# KiCad board robot-hub_rev4.kicad_pcb (continued)
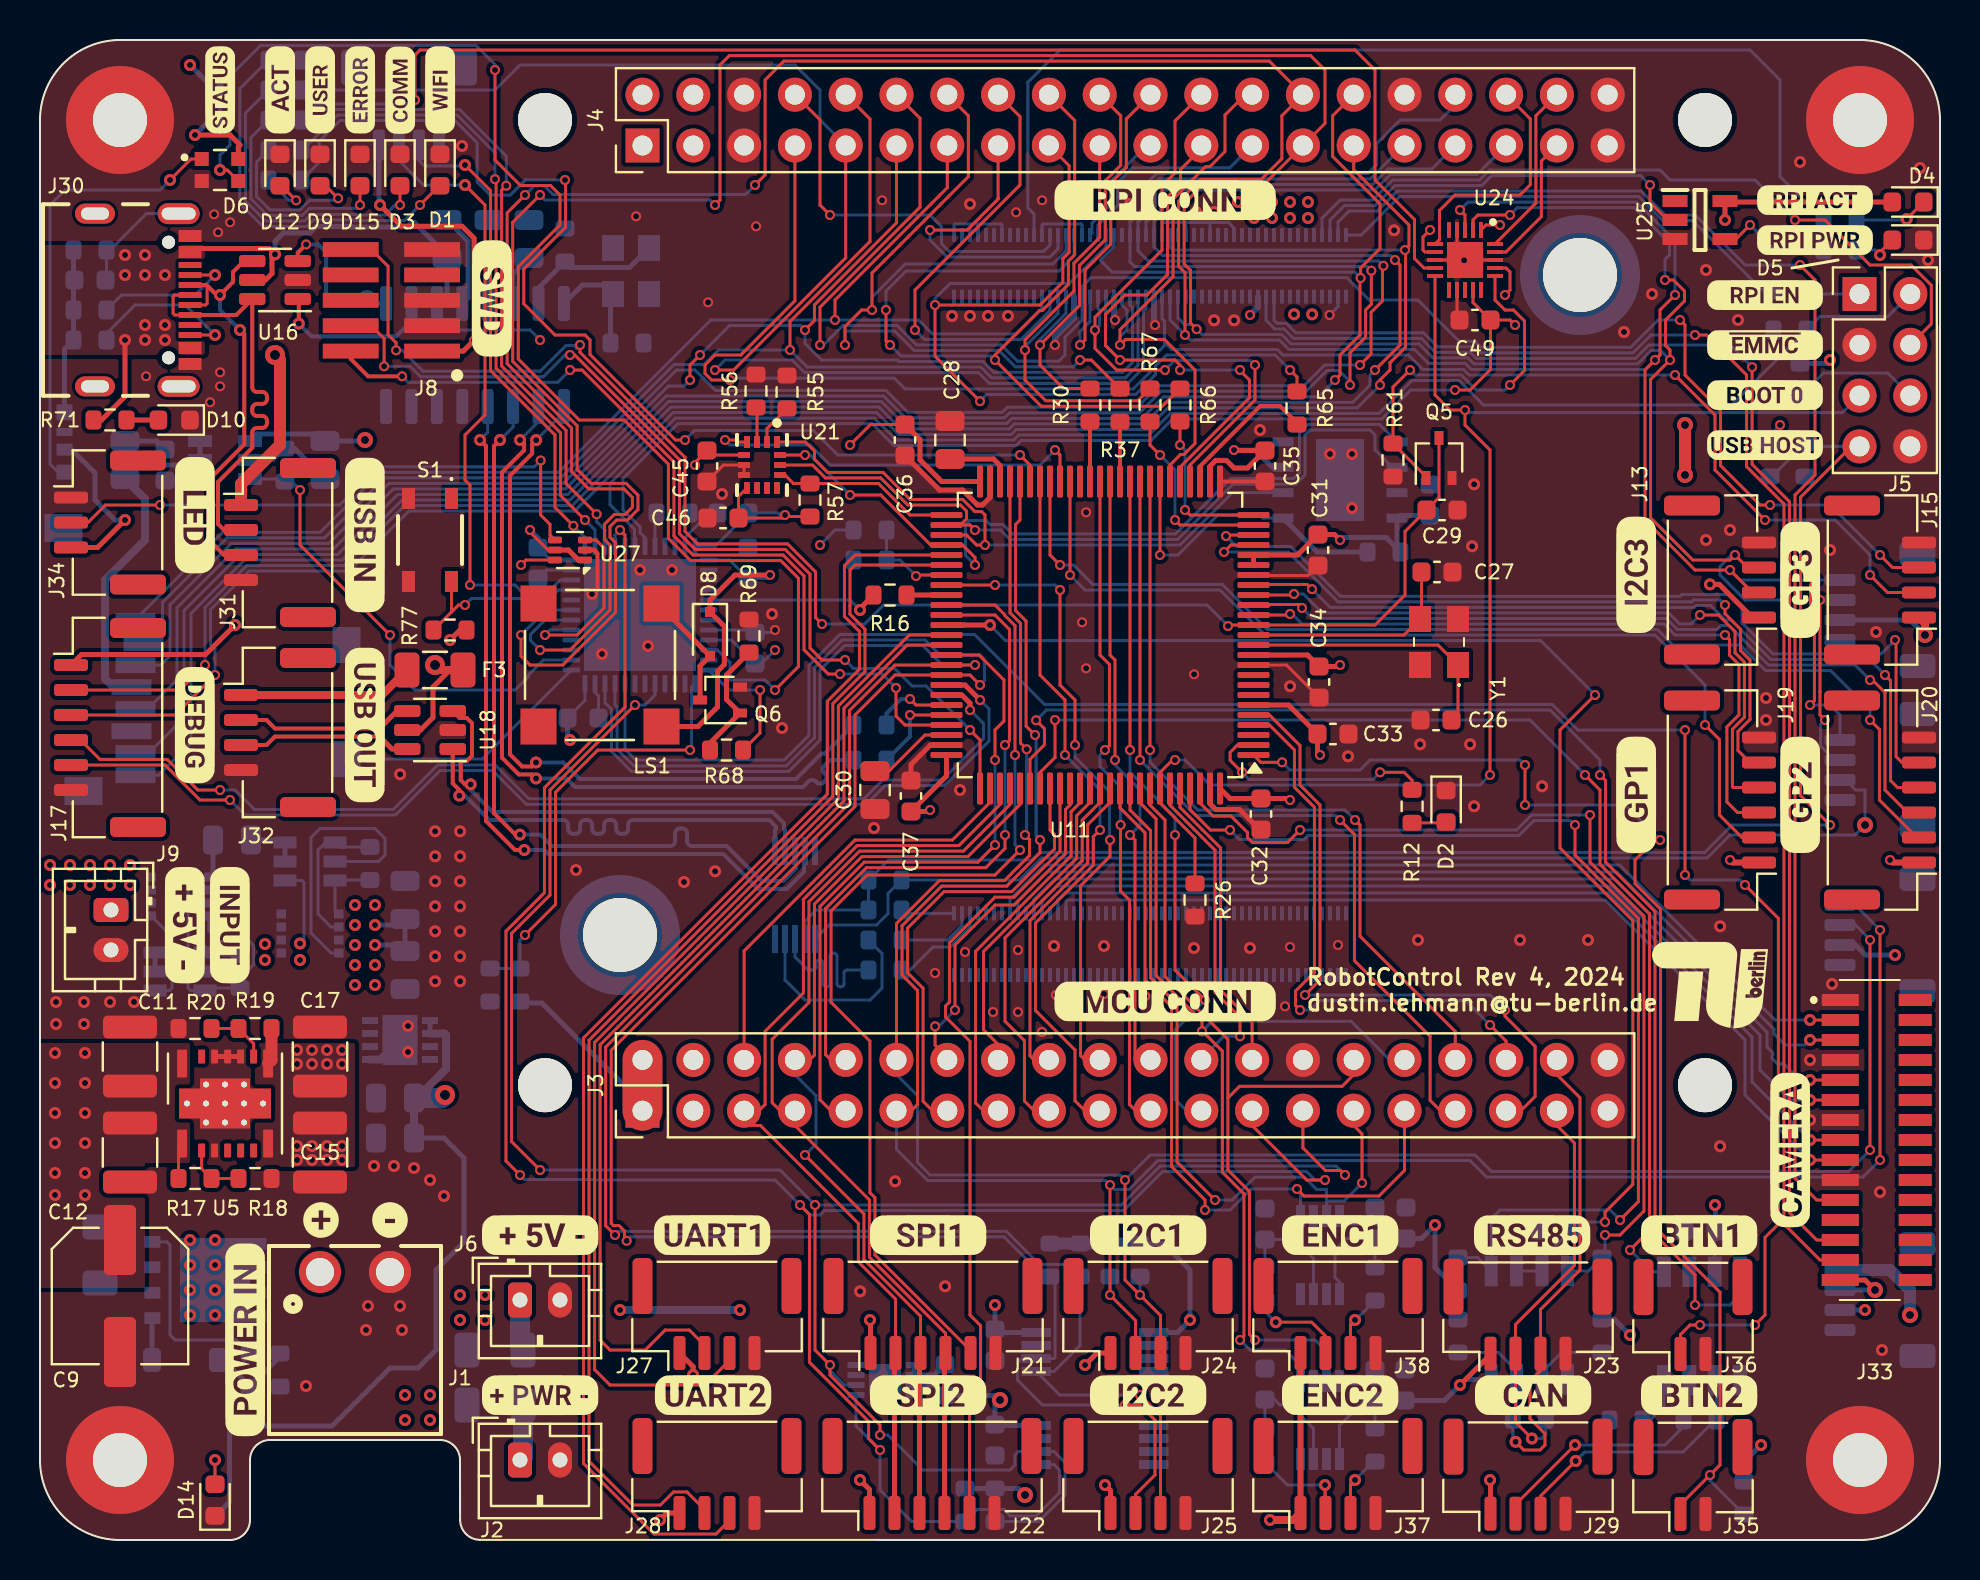
[diagram p0: board, top side]
## Routing (per net, layer and track width the routed paths; a pad name or vN(x,y) marks a point on that pad's centre or on a via; arc(x,y) is an arc through that point) (continued)
5V_EXT: length 10.7
  Bottom w0.15: 10,27.6 8.38,27.6 ; Q2.1 8.08,33.15 7.4,32.47 7.4,27.6 7.52,27.48 U2.6
  Bottom w0.25: Q2.1 8.65,33.36 C1.1
5V_IN: length 4.9
  Bottom w0.15: U2.1 6.47,27.48 6.6,27.6 6.6,30.16 Q2.5
5V_REG: length 5.9
  Top w0.6: R19.1 11.57,24 U5.8
  Bottom w0.15: v1(13,29.83) 13.2,30.03 13.2,32.88 13.1,32.98 U3.1
  vias: v1(11.25,29.8) v1(11.25,29) v1(12.85,24.5) v1(12.85,23.8) v1(12.85,19.7) v1(12.85,19) v1(13,29) v1(13.6,24.5) v1(13.6,23.8) v1(13.6,19.7) v1(13.6,19) v1(14.35,24.5) v1(14.35,23.8) v1(14.35,19.7) v1(14.35,19) v1(15.1,24.5) v1(15.1,23.8) v1(15.1,19.7) v1(15.1,19)
5V_USB: length 173.5
  Top w0.25: 7.68,64.58 11.46,64.58 v1(11.75,64.28) 11.6,64.13 11.6,63.33 11.27,63 U16.5 ; R71.1 3.07,56 4.25,57.17 v1(4.25,60)
  Top w0.6: J31.1 10.05,52.8 12,54.75 12,59 v3(11.75,59.25)
  POWER w0.25: v2(87,55.75) 87,66.01 85.25,67.76 85.25,73.75 84.5,74.5 25,74.5 20.1,69.61 20.1,66.98 18.8,65.69 13,65.69 11.75,64.43 v1(11.75,64.28)
  POWER w0.4: v2(39,49.75) 41.25,49.75 42.75,51.25 42.75,54.75 41.75,55.75 28.4,55.75 25,59.15 v2(25,60)
  POWER w0.6: 7.25,60 8,59.25 v3(11.75,59.25)
  Bottom w0.15: R24.1 39.75,50.5 v2(39,49.75) ; R8.1 86.5,55.25 v2(87,55.75) ; v2(25,60) 24.5,60.5 20.3,60.5 19.84,60.95 U15.11
  Bottom w0.25: 19.99,64.1 19.99,64.6 18.7,65.89 18.6,65.89 18.36,65.64 15.58,65.64 15.54,65.68 13.81,65.68 13.48,65.35 12.17,65.35 11.75,64.93 v1(11.75,64.28) ; 20.35,64.1 20.35,62.33 U15.11
  vias: v1(0.5,33.75) v1(0.5,32.75) v1(1.5,33.75) v1(1.5,32.75) v1(2.5,33.75) v1(2.5,32.75) v1(3.5,33.75) v1(3.5,32.75) v1(4.25,64.25) v1(4.25,63.25) v1(4.5,33.75) v1(4.5,32.75) v1(5.25,64.25) v1(5.25,63.25) v1(5.25,60.75) v1(5.25,60) v1(6.25,63.25) v1(6.25,60.75) v1(6.25,60)
+3V3: length 613
  Top w0.15: C45.1 32.75,53.88 v2(32.75,53.75) ; C36.1 41.53,55.78 v2(40.5,54.75) ; v2(24.5,50.5) 24.5,50.4 25.4,49.5 U27.5 ; 33.57,54.25 U21.5 ; 44.42,36.42 v2(44.5,36.5) ; R57.1 37.32,51.17 v2(37.25,51.25) 37.1,51.1 C46.1 34.92,52.17 35.35,52.6
  Top w0.25: v1(31,1) 31.35,1.35 J28.1 ; J8.1 21.16,59.45 v2(21.7,59.98) 21.7,65.09 21.1,65.69 18.06,65.69 v1(17,66.75) ; J24.1 52.85,9.35 v1(52.25,8.75) ; R77.1 21,45.5 v1(20.5,45) ; U27.1 26.92,49 26.42,49.5 U27.5 ; J29.1 72.53,2.98 v1(72.5,3) ; U11.6 62.42,41.75 C33.1 63.88,39.38 v2(64,39.25) ; U11.50 45.08,52.92 44,54.01 44,55.03 C36.1 ; v2(65,50) 64.72,50.28 C31.1 62.88,49.25 U11.21 U11.20 ; v2(65,43.75) 64.92,43.67 C34.1 63.38,44.25 U11.11 ; J27.1 32.65,8.67 v1(32.65,8.25) ; J22.1 41.47,2.53 v1(41,3) ; U11.100 59.5,37.08 C32.1 62.42,37.08 v2(62.5,37) ; LS1.P 32.9,40.67 33.88,41.65 33.88,43.44 34.22,43.78 34.22,45.68 33.5,46.4 33.5,47 34.75,48.25 v2(36.5,48.25) ; J25.1 53.53,2.47 v1(53.25,2.75) ; v1(9.75,45.75) 8.27,44.28 2.07,44.28 J17.1 ; v1(41.5,11) 41.53,10.98 J21.1 ; 72.53,9.28 v1(71,7.75) ; v2(59.7,54.5) 59.72,54.48 C35.2 60.38,53.6 59.7,53.6 59.32,53.98 58.79,53.98 58.5,53.69 U11.27 ; U11.75 45.32,38.2 C37.1 44.42,36.42
  Top w0.3: J19.1 84.62,33.88 v2(84.5,34) ; J20.1 92.62,33.88 v2(92.5,34)
  POWER w0.4: v1(7.5,73.75) 7.5,73.25 9,71.75 15,71.75 17,69.75 v1(17,66.75) ; v2(65,50) 69.75,54.75 87.75,54.75 89.5,56.5 v1(89.5,59) ; J3.3 34,22.81 34,26.19 32.44,27.75 25.75,27.75 ; v1(9.75,45.75) 10.5,46.5 19,46.5 v1(20.5,45)
  POWER w0.6: 34.25,12.69 37.57,12.69 39.25,11 v1(41.5,11) ; 34.25,12.69 34.25,19.88 J3.3 ; 34.25,12.69 33.5,11.93 33.5,9.5 32.65,8.65 v1(32.65,8.25) 31,6.6 v1(31,1) ; v1(79.5,10.25) 85,4.75 v1(86.05,4.75) 86.05,6.8 90.75,11.5 v1(91.25,11.5) ; v1(79.5,10.25) 79.5,12.5 v1(83.75,16.75) 85.5,18.5 85.5,31 86.25,31.75 86.25,32.74 84.99,34 v2(84.5,34) v2(92.5,34) 92.75,33.75 v1(92.75,29.25) ; v1(79.5,10.25) 73.5,10.25 ; v2(24.5,50.5) 26.75,52.75 26.75,56 22.77,59.98 v2(21.7,59.98) ; v2(24.5,50.5) 22.25,50.5 20.5,48.75 v1(20.5,45) ; v2(24.5,50.5) 26.5,48.5 v1(26.5,40) 30,36.5 ; v1(41.5,11) 47,11 v1(47.75,11.75) 49.25,11.75 v1(52.25,8.75) 54.5,11 v1(57.5,11) 61.5,7 70.25,7 v1(71,7.75) ; v1(41.5,11) 41,10.5 v1(41,3) ; v1(41.5,11) 44,11 v4(48,7) 49.25,5.75 v4(49.25,2.25) 49.75,2.75 v1(53.25,2.75) ; v1(71,7.75) 72.5,6.25 v1(72.5,3) ; v1(71,7.75) 73.5,10.25 ; 30,36.5 28.32,36.5 25.75,33.94 25.75,27.75 ; 30,36.5 v2(44.5,36.5) ; v2(44.5,36.5) 45.3,36.5 45.6,36.2 45.9,36.5 62,36.5 v2(62.5,37) 64,38.5 v2(64,39.25) 65,40.25 v2(65,43.75) v2(65,50) 60.5,54.5 v2(59.7,54.5) ; v2(44.5,36.5) 44.5,36.75 v2(36.75,44.5) 37.45,45.2 37.45,47.3 v2(36.5,48.25) 37.25,49 v2(37.25,51.25) ; v2(37.25,51.25) 40.5,54.5 v2(40.5,54.75) ; v2(37.25,51.25) 34.75,53.75 v2(32.75,53.75) ; 73.5,10.25 73.5,12.5 70.25,15.75 v1(69.75,15.75)
  POWER w1: v3(20.25,22.25) 25.75,27.75
  Bottom w0.15: 36.07,43.83 v2(36.75,44.5) ; C3.1 34.57,45 U1.9 ; U26.5 9,71.64 8.5,72.14 U26.1 ; v2(36.5,48.25) 36.32,48.08 C5.1 34.47,49 U1.1 ; R89.2 R78.1 ; C51.1 67.42,7.8 65.12,7.8 ; U1.36 25.53,49 C4.1 ; U1.24 27.25,41.98 C14.1 ; U29.8 65.38,15.8 67.57,15.8 C50.1 ; U1.48 33.76,49.69 C16.1 36.9,51.35 37,51.25 v2(37.25,51.25) ; 83.73,15.41 U30.3
  Bottom w0.25: C51.1 70.22,6.98 v1(71,7.75) 71.28,8.03 U31.8 ; C14.1 26.38,40.12 v1(26.5,40) ; R81.1 69.75,13.62 v1(69.75,15.75) 69.07,15.08 C50.1 ; C22.2 67.98,51.23 U10.8 67.85,49.58 ; v2(59.7,54.5) 60.75,54.5 61.62,53.64 ; U26.1 8.5,72.75 v1(7.5,73.75) ; v1(89.5,59) 89.32,58.83 R47.1 ; J12.3 v1(91.25,11.5) ; C52.1 83.78,16.73 v1(83.75,16.75) ; C21.1 v1(47.75,11.75) ; R27.1 56.17,14.83 57.5,13.5 v1(57.5,11) 56.88,10.38 U7.1 ; C4.1 24.9,50.1 v2(24.5,50.5) ; J10.1 16.95,66.8 v1(17,66.75) ; R74.1 9.48,1.9 9.48,5.52 9.65,5.7 14.6,5.7 17.5,8.6 18.9,8.6 19.8,9.5 19.8,13.5 21.2,14.9 21.2,19.1 20.2,20.1 C19.1 ; v1(92.75,29.25) 91.27,29.25 90.77,29.75 J14.3 ; C23.1 47.75,6.75 v4(48,7) 47.78,7.23 C48.1 44.72,7.75 U22.7 U22.8 ; v1(79.5,10.25) 78.72,11.03 R89.2 ; U7.8 47.9,10.38 ; U6.1 U6.2 ; U8.8 47.8,5.73 ; R10.2 R9.2 48.92,2.57 v4(49.25,2.25) ; v2(65,50) 65.13,50.13 67.3,50.13 R22.1 ; v1(86.05,4.75) 85.2,3.9 R76.1
  Bottom w0.4: C19.1 C18.1 ; 18.85,22.1 20.3,23.55 20.3,25.25 20.22,25.33 U6.2
  Bottom w0.6: R32.1 R27.1
  Bottom w1: v3(20.25,22.25) 20.1,22.1 C18.1
+5V: length 311.1
  Top w0.15: U27.6 24.3,49 v2(24.05,48.75)
  Top w0.25: J34.3 2.88,49.62 v1(4.25,51) ; D6.4 9.91,69.66 10,69.75 9.5,70.25 v1(7.75,70.25) ; 21.15,43.5 20.5,43.5 19.65,42.65 19.65,41.13 19.02,40.5 U18.5
  Top w0.3: J38.1 J37.1
  Top w0.4: v3(19.75,43.75) 20,43.5 21.15,43.5 ; J37.1 62.67,1 v1(61.5,1)
  POWER w0.25: v1(4.25,51) 6.25,51 9,48.25 ; v2(24.05,48.75) 23.75,48.45 23.75,46.25 21.25,43.75 v3(19.75,43.75)
  POWER w0.4: v1(29,11.5) 27,9.5 21.75,9.5 ; 15.38,59.38 15.38,61.62 13.7,63.28 11.3,63.28 10.25,64.34 10.25,69.25 9.25,70.25 v1(7.75,70.25)
  POWER w0.6: v1(35,11.5) 36.5,10 36.5,2.5 38,1 v1(61.5,1) 84.5,1 87.23,3.73 87.23,5.98 92.02,10.77 92.05,10.77 92.48,11.2 92.48,11.23 92.5,11.25 v4(93.5,11.25) ; 7.25,46.5 10,43.75 v3(19.75,43.75)
  POWER w1: 22.5,16.75 16.75,22.5 v1(16.75,27.75) ; 22.5,16.75 22.5,15 21.5,14 21.5,11.5 ; 22.5,16.75 26.25,16.75 27.75,18.25 27.75,25.43 28.25,25.94 32,25.94 32.66,25.28 J3.4
  POWER w1.5: J4.3 J4.1 27.75,67.35 27.75,63.75
  POWER w2.5: v1(62.5,66.1) 60.3,63.9 45.23,63.9 45.18,63.85 43.82,63.85 43.77,63.9 18.32,63.9 15.38,60.95 15.38,59.38 9,53 9,48.25 5.75,45 5.75,37.5 11.5,31.75 v1(15.75,31.75)
  Bottom w0.15: R6.1 14.77,33 ; Q3.1 14.75,31.49 U3.6
  Bottom w0.25: D11.2 1.58,54.52 2.75,53.35 2.75,52 3.75,51 v1(4.25,51) ; v1(16.75,29.75) 17.95,29.75 ; C2.1 C13.1 ; v1(16.75,30.75) 17.95,30.75 ; U26.6 v1(7.75,70.25)
  Bottom w0.4: v1(29,11.5) v1(35,11.5)
  Bottom w0.6: v4(93.5,11.25) 93.5,12.5 92.5,13.5 J12.1
  vias: v1(15.75,30.75) v1(15.75,29.75) v1(15.75,28.75) v1(15.75,27.75) v1(16.75,31.75) v1(16.75,28.75) v1(21,12.25) v1(21,11) v1(22.25,12.25) v1(22.25,11) v1(59.9,66.9) v1(60.7,66.9) v1(60.7,66.1) v1(61.6,66.9) v1(61.6,66.1) v1(62.5,66.9) v1(63.4,66.9) v1(63.4,66.1)
GND: length 91.3
  Top w0.15: U24.4 70.85,64.4 ; U11.10 62.32,43.75 C34.2 ; U24.18 U24.21 71.22,64 v1(71.2,63.98) 71.19,64 U24.8 ; 60.7,48.23 63.4,48.23 C31.2 ; 70.85,61.12 U24.12 ; C45.2 34.17,53.75 U21.6 U21.7
  Top w0.2: C35.1 U11.26 ; v1(27.6,47.3) 27.87,47.57 27.87,49.33 27.7,49.5 U27.2
  Top w0.25: U11.74 44.53,39.75 43.55,38.77 C37.2 ; 60.97,35.53 59.98,36.52 58.79,36.52 58.5,36.81 U11.99 ; U11.49 47.5,52.13 47.12,51.75 46.87,51.75 46.12,52.5 44.97,52.5 C36.2 ; 8.73,24.17 U5.10
  Bottom w0.15: Module1.33 52.1,65.75 52.05,65.8 50.15,65.8 50.1,65.75 Module1.23 ; C14.2 27.92,42.2 27.75,42.38 U1.23 ; U9.2 11.67,54 R23.1 ; 58.5,65.85 58.53,65.88 59.42,65.88 59.7,65.6 Module1.71 ; 58.5,65.85 Module1.65 ; 58.5,65.85 58.47,65.88 57.32,65.88 57.3,65.85 ; Module1.53 56.1,65.85 56.12,65.88 57.28,65.88 57.3,65.85 ; 46.9,65.75 46.85,65.8 45.75,65.8 45.7,65.75 Module1.1 ; 46.9,65.75 Module1.7 ; 46.9,65.75 46.95,65.8 48.05,65.8 48.1,65.75 Module1.13 ; U1.35 25.32,48.5 C4.2 ; U1.8 35.62,45.5 ; v2(64.48,61.25) 64.9,61.67 Module1.98 ; U1.47 32.25,50.12 33.48,51.35 C16.2 ; 57.3,65.85 Module1.59 ; v2(36.75,45.5) 36.62,45.38 C3.2
  Bottom w0.25: R23.1 12.72,54.58 C20.2 ; U15.12 21.4,62.11 21.4,64.95 C42.2 ; C48.2 44.72,8.25 U22.6 U22.5 ; U2.3 U2.2 ; C24.2 5.82,54.95 C25.2 ; C1.2 12.12,35 ; D11.4 1.22,59.55 R48.2 R50.2 ; U3.2 U3.3
  Bottom w0.3: v2(50.75,59.75) 50.75,60.15 51.7,61.1 Module1.32 ; Module1.52 55.7,60.8 v2(55.75,60.75) ; v2(53.75,61) 53.7,61.05 Module1.42
  Bottom w0.4: U6.9 17.02,24.03 U6.5
  vias: v1(0.8,26.9) v1(0.8,25.8) v1(2.2,26.9) v1(2.2,25.8) v1(3.5,26.9) v1(4.7,26.9) v1(13.3,7.7) v1(16.3,10.5) v1(16.4,11.7) v1(16.7,18.7) v1(17.7,18.7) v1(18,38.28) v1(18,11.7) v1(18.1,10.5) v1(18.4,25.7) v1(18.4,24.4) v1(18.7,18.6) v1(19.5,18) v1(19.75,35.44) v1(19.75,34.19) v1(19.75,32.94) v1(19.75,31.69) v1(19.75,30.44) v1(19.75,29.19) v1(19.75,27.94) v1(20.2,17.2) v1(21,35.44) v1(21,34.19) v1(21,32.94) v1(21,31.69) v1(21,30.44) v1(21,29.19) v1(21,27.94) v1(21.1,69.7) v1(26.8,33.5) v1(28.1,44.3) v1(30,48.5) v1(30.4,44.7) v1(31.6,48.5) v1(32.2,32.9) v1(33.75,33.44) v1(34.1,52.3) v1(36.6,46.3) v1(37.1,40.6) v1(41,12.44) v1(41.7,35.6) v1(42.75,17.94) v1(45.25,12.69) v1(45.6,61.2) v1(46,37.5) v1(46.5,66.8) v1(46.5,61.2) v1(47.4,61.2) v1(48.4,61.2) v1(50.7,29.7) v1(53.2,29.7) v1(54.5,66.8) v1(57.7,29.6) v1(57.8,66.4) v1(58.7,66.4) v1(58.7,60.98) v1(59.7,60.98) v1(60.5,29.6) v1(61,55.5) v1(62.5,42.69) v1(64.5,54.3) v1(65.41,39.19) v1(65.6,54.3) v1(65.6,51.6) v1(67.7,65.48) v1(68.9,30) v1(69,39.78) v1(71.5,39.78) v1(71.6,49.69) v1(71.7,52.78) v1(71.7,36.69) v1(74,30) v1(75.1,37.69) v1(77.4,30) v1(79.2,60.4) v1(80.6,62.3) v1(83.3,63.5) v1(83.3,50) v1(84,30.69) v1(84,19.69) v1(84.5,50.5) v1(84.9,61) v1(86.3,42.1) v1(86.3,41) v1(88,68.9) v1(88.5,24) v1(88.5,21) v1(89.5,49.5) v1(89.6,27.8) v1(91.8,45.4) v1(92,17.4) v1(92.1,9.5) v1(94,68.6) v1(94.4,64) v2(5.3,58.19) v2(8.5,56.89) v2(8.7,66.28) v2(8.91,65.39) v2(9,58.39) v2(9,57.69) v2(9.5,65.89) v2(29.81,66.19) v2(33.41,61.89) v2(35.81,65.69) v2(42.1,66.98) v2(44.75,28.35) v2(46.25,29.4) v2(47.65,26.4) v2(48.81,66.39) v2(48.9,29.5) v2(48.9,26.4) v2(50.1,66.98) v2(50.1,25.4) v2(50.8,27.25) v2(52.1,45.89) v2(52.31,51.39) v2(52.31,43.59) v2(53.2,27.3) v2(55.25,27.19) v2(57.7,43.28) v2(61.45,27.3) v2(62.25,26.69) v2(62.5,29.65) v2(64.9,29.75)
/Microcontrollers/UC_USB_N: length 4
  Top w0.15: U11.70 43.8,41.75 v2(43.5,42.05)
  Bottom w0.2: v2(43.5,42.05) 43.05,42.05 42.32,41.33 R35.1
/Microcontrollers/UC_USB_P: length 4.6
  Top w0.15: U11.71 v2(43.5,41.25)
  Bottom w0.2: R36.1 43.5,40.17 v2(43.5,41.25)
ADC_V_PWR: length 22.1
  Top w0.15: v2(32.5,39.5) 27.89,39.5 25.78,37.39 25.78,31.78 v2(24.25,30.25)
  Bottom w0.15: U1.13 32.58,42.64 32.58,39.58 v2(32.5,39.5) ; R42.2 R41.1 24,30 v2(24.25,30.25)
BOOT0: length 69.7
  Top w0.15: R26.1 57.75,35.1 56,36.85 ; v2(56.75,39) 56.63,39 56,38.37 U11.94 ; v2(72.5,38.25) 72.5,54.5 71.25,55.75 v2(71.25,56.5) 70.5,56.5 69.75,57.25 U24.10
  Bottom w0.15: v2(72.5,38.25) 72,37.75 58.5,37.75 57.25,39 v2(56.75,39) ; J5.5 90.12,56.37 71.38,56.37 v2(71.25,56.5)
CAM_GPIO: length 75
  Top w0.15: v2(88,63.75) 88.75,63 88.75,53.25 87.75,52.25 87.75,42.06 87.75,42.06 87.75,41.44 87.75,41.44 87.75,18.09 88.84,17 J33.11
  Bottom w0.15: v2(88,63.75) 85.25,63.75 82.75,66.25 81.25,66.25 80.05,67.45 67.86,67.45 66.86,66.45 65.45,66.45 64.9,65.9 Module1.97
CAM_SCL: length 73.2
  Top w0.15: J33.13 88.84,15 87.47,16.36 87.47,41.32 87.47,41.32 87.47,42.18 87.47,42.18 87.47,51.92 85.61,53.79 v2(85.61,58.64)
  Bottom w0.15: v2(85.61,58.64) 84.5,59.75 81.25,59.75 81.25,59.75 80.44,59.75 79.77,59.08 71.81,59.08 71.51,59.39 69.76,59.39 69.06,60.08 62.67,60.08 62.2,60.55 61.74,60.55 61.3,60.99 Module1.80
CAM_SDA: length 73.5
  Top w0.15: v2(82.75,60.25) 83.33,60.25 85.33,58.25 85.33,53.67 87.2,51.8 87.2,42.29 87.19,42.29 87.19,41.21 87.2,41.21 87.2,15.8 89,14 J33.14
  Bottom w0.15: Module1.82 61.7,60.99 61.86,60.83 62.31,60.83 62.78,60.36 69.18,60.36 69.87,59.66 71.62,59.66 71.93,59.36 79.65,59.36 80.54,60.25 v2(82.75,60.25)
CAMC_N: length 46.4
  Top w0.15: J33.8 v1(88.5,20)
  Bottom w0.15: Module1.127 50.9,32.02 51.23,32.35 78.4,32.35 85.6,25.15 85.6,22.9 v1(88.5,20)
CAMC_P: length 46.3
  Top w0.15: J33.9 v1(88.5,19)
  Bottom w0.15: Module1.129 51.3,31.93 51.37,32 78.25,32 85.25,25 85.25,22.25 v1(88.5,19)
CAMD0_N: length 46.1
  Top w0.15: J33.2 v1(88.5,26)
  Bottom w0.15: Module1.115 48.5,32.02 50.23,33.75 78.98,33.75 86.23,26.5 86.25,26.5 86.75,26 v1(88.5,26)
CAMD0_P: length 46.1
  Top w0.15: J33.3 v1(88.5,25)
  Bottom w0.15: v1(88.5,25) 88.25,24.75 87.25,24.75 86.7,25.3 86.7,25.53 78.83,33.4 50.37,33.4 48.9,31.93 Module1.117
CAMD1_N: length 46.3
  Top w0.15: J33.5 v1(88.5,23)
  Bottom w0.15: Module1.121 49.7,32.02 50.73,33.05 78.69,33.05 86.35,25.39 86.35,24.65 86.62,24.38 arc(86.65,24.3) 86.62,24.22 arc(86.59,24.14) 86.62,24.06 86.89,23.8 arc(86.97,23.76) 87.05,23.8 arc(87.12,23.83) 87.2,23.8 88,23 v1(88.5,23)
CAMD1_P: length 46.3
  Top w0.15: J33.6 v1(88.5,22)
  Bottom w0.15: Module1.123 50.1,31.93 50.87,32.7 78.54,32.7 86,25.24 86,23.5 87.5,22 v1(88.5,22)
CANH: length 11.7
  Top w0.15: v1(76.75,4.75) 73.78,1.78
  Bottom w0.15: v1(76.75,4.75) 81.25,4.75 82.17,5.67 ; U30.7 82.47,6.29
CANL: length 13.1
  Top w0.15: J29.3 75.03,2.19 v1(76.78,3.95)
  Bottom w0.15: 83.75,6 82.15,4.4 77.23,4.4 v1(76.78,3.95) ; R86.2 83.82,7.9
CANRX: length 66.2
  Top w0.15: v2(82.75,11.75) 82.75,13.25 80.7,15.3 80.75,15.36 80.75,31.43 78.28,33.9 78.28,37.97 v2(78,38.25) ; v2(49.81,40.98) 50.22,40.56 50.22,39.76 49.5,39.04 U11.81
  Bottom w0.15: v2(78,38.25) 78,39 75.5,41.5 50.32,41.5 v2(49.81,40.98) ; U30.4 85,12.25 84.5,11.75 v2(82.75,11.75)
CANTX: length 59
  Top w0.15: U11.82 50,38.37 50.75,39.12 v2(50.75,41) ; v2(77.25,38.25) 78,37.5 78,33.78 80.47,31.31 80.47,15.47 v2(79.5,14.5)
  Bottom w0.15: v2(50.75,41) 74.5,41 v2(77.25,38.25) ; U30.1 80.59,13.41 v2(79.5,14.5)
CC1: length 7.4
  Top w0.15: J30.A5 v1(8.75,63.25)
  Bottom w0.15: R49.1 4.07,62.25 7.75,62.25 v1(8.75,63.25)
CC2: length 7.9
  Top w0.15: J30.B5 v1(8.75,60.25)
  Bottom w0.15: 3.32,60.33 4.75,61.75 7.25,61.75 v1(8.75,60.25)
CM4_EN: length 2.4
  Bottom w0.15: J5.1 88.53,62.3
CM4_EN_SIGNAL: length 74.5
  Bottom w0.15: U1.42 29.75,50.12 29.72,50.15 29.72,50.54 28.5,51.77 28.5,52.82 31.77,56.09 41.72,56.09 42.81,55 48.69,55 48.94,55.25 55.44,55.25 56.52,56.33 66.95,56.33 68.6,57.98 70.95,57.98 72.17,56.75 84.57,56.75 R46.2 89,61.17 92.39,61.17 J5.2
CM4_GPIO2: length 177.1
  Top w0.15: v2(24.05,45.25) 24.05,44.2 24.5,43.75 26.14,43.75 28.78,46.39 28.78,49.86 28.5,50.14 28.5,50.67 28.83,51 29.37,51 29.9,51.52 29.9,52.24 29.31,52.83 27.56,52.83 26.86,53.53 26.86,55.71 23.63,58.93 23.63,65.89 v2(25,67.25) ; v2(81.25,63) 81.67,63 82.22,62.45 82.22,61.95 81.28,61 81.28,59.72 81.5,59.5 v2(81.5,59) 80.53,58.03 80.53,51.11 82.64,49 84.5,49 v2(84.75,49.25) 85.38,48.62 ; v2(33.75,66.75) 34,67 34,73.75 34.47,74.22 63.53,74.22 64.25,73.5 64.25,70.83 J4.27 61.17,67.75 58.14,67.75 57.21,66.82 57.21,63.8 57.53,63.48 57.53,60.85 v2(57.83,60.54) ; v2(73.5,66.25) 71.9,66.25 71.65,66 U24.2 ; v2(89,47) 89,47 89,43.83 89,43.83 89,42.42 89,42.42 89,41.25 v2(89.25,41)
  Bottom w0.15: v2(25,67.25) 25.25,67 33.5,67 v2(33.75,66.75) ; 89.72,39 89.02,39.7 89.02,40.77 v2(89.25,41) ; Module1.58 56.9,61.1 57.22,60.78 57.6,60.78 v2(57.83,60.54) 58.1,60.28 62.08,60.28 62.55,59.8 68.95,59.8 69.64,59.11 71.39,59.11 71.7,58.8 79.88,58.8 80.55,59.48 81.03,59.48 v2(81.5,59) ; J16.2 v2(89,47) 85.25,47 84,48.25 84,48.67 84.58,49.25 v2(84.75,49.25) ; U1.31 25.3,46.5 v2(24.05,45.25) ; v2(73.5,66.25) 73.87,66.62 79.71,66.62 81.47,64.85 81.47,64.25 81.25,64.03 v2(81.25,63)
CM4_GPIO3: length 171.5
  Top w0.15: v2(71,66.5) 71.25,66.25 U24.3 ; v2(24.25,67.25) 23.36,66.36 23.36,58.82 26.58,55.59 26.58,53.42 27.45,52.55 29.2,52.55 29.62,52.13 29.62,51.64 29.26,51.28 28.71,51.28 28.22,50.79 28.22,50.03 28.5,49.75 28.5,46.5 26.5,44.5 v2(25,44.5) ; v2(57.25,60.25) 57.25,63.37 56.93,63.69 56.93,66.93 58.03,68.03 61.06,68.03 62.09,69.06 62.09,71.21 J4.28 61.46,73.95 37.2,73.95 36.26,73.01 36.26,68.26 v2(35.75,67.75) ; v2(81.75,62.25) 81,61.5 81,59.25 v2(80.75,59) 80.25,58.5 80.25,51 82.75,48.5 v2(84.5,48.5) 85.62,47.38 ; v2(88.75,48) 88.53,47.78 88.53,46.8 88.72,46.61 88.72,41.97 v2(88.5,41.75)
  Bottom w0.15: v2(88.5,41.75) 89.5,41.75 90,41.25 J11.1 ; v2(35.75,67.75) 35.28,67.28 25.64,67.28 25.2,67.72 24.72,67.72 v2(24.25,67.25) ; v2(71,66.5) 71.39,66.89 79.82,66.89 81.75,64.97 v2(81.75,62.25) ; v2(25,44.5) 24.53,44.98 24.53,45.28 25.25,46 U1.30 ; J16.1 v2(88.75,48) 85,48 v2(84.5,48.5) ; Module1.56 56.5,61 v2(57.25,60.25) 57.5,60 61.97,60 62.44,59.53 68.72,59.53 69.42,58.83 71.27,58.83 71.57,58.53 80.28,58.53 v2(80.75,59)
CM4_GPIO4: length 86.4
  Top w0.15: v2(81.75,58.25) 83.75,56.25 83.75,53.5 v2(86.25,51) ; v2(34.5,58) 33.58,58 33.25,58.33 33.25,58.75 33.75,59.25 35.04,59.25 37.75,61.95 J4.7 ; J15.2 92.38,47.38 v2(91.5,48.25)
  Bottom w0.15: v2(91.5,48.25) 91.5,49.25 89.75,51 v2(86.25,51) ; 56.22,60 56.22,59.88 56.58,59.53 61.86,59.53 62.14,59.25 68.42,59.25 69.14,58.53 71.18,58.53 71.46,58.25 v2(81.75,58.25) ; 56.22,60 56.22,60.95 56.1,61.07 Module1.54 ; 56.22,60 56.22,59.73 55.53,59.03 55.53,58.84 55.5,58.81 55.5,58.39 54.66,57.55 43.25,57.55 42.71,58.09 34.59,58.09 v2(34.5,58)
CM4_GPIO5: length 84.6
  Top w0.15: J4.12 44,71.09 44,66.64 39,61.64 v2(39,59.75) ; v2(82,61) 82.25,60.75 82.25,58.25 84.03,56.47 84.03,53.72 86,51.75 v2(86.5,51.75) ; v2(92,49.25) 92.62,48.62 J15.3
  Bottom w0.15: v2(39,59.75) 39.17,59.75 40.14,60.72 42.86,60.72 43.83,59.75 48.06,59.75 48.87,58.94 50.94,58.94 51.25,59.25 51.25,60.15 52.1,61 Module1.34 52.1,62.67 52.54,63.12 65.34,63.12 66.46,62 68.89,62 70.95,59.94 71.74,59.94 72.04,59.64 79.54,59.64 80.9,61 v2(82,61) ; v2(86.5,51.75) 89.5,51.75 v2(92,49.25)
CM4_GPIO6: length 21.6
  Top w0.15: R30.2 51.17,57.58 50,58.75 v2(50,59.75) 51.97,61.72 51.97,63.72 53.26,65.01 53.26,67.96 54.04,68.74 54.04,71.21 J4.20
  Bottom w0.15: v2(50,59.75) 50,60.03 51.3,61.33 Module1.30
CM4_GPIO7: length 10.5
  Bottom w0.15: Module1.37 52.9,65.75 53.88,66.73 53.88,67.88 54.61,68.61 59.49,68.61 J4.25
CM4_GPIO8: length 48.8
  Top w0.15: v2(47,56.94) 44.75,59.19 v2(44.75,61.75) 50,61.75 51.14,62.89 51.14,64.07 51.46,64.38 51.46,68.71 J4.17 ; R65.1 62.85,58.15 v2(62.5,58.5)
  Bottom w0.15: v2(44.75,61.75) 44.75,62.07 45.5,62.82 51.46,62.82 53.3,64.66 Module1.39 ; v2(47,56.94) 47.34,57.28 54.78,57.28 55.78,58.28 55.78,58.7 56.33,59.25 61.75,59.25 v2(62.5,58.5)
CM4_GPIO9: length 29.8
  Top w0.15: 58.06,69.56 57.03,68.53 57.03,67.81 56.38,67.16 56.38,63.28 55.35,62.25 54.25,62.25 53.28,61.28 53.28,59.73 v2(54,59) 56.75,59 57,58.75 v2(57,58.5) ; 57,53.64 60.47,57.11 60.47,58 60,58.47 v2(60,58.5)
  Bottom w0.15: 53.28,62.14 53.28,59.73 v2(54,59) ; v2(57,58.5) v2(60,58.5)
CM4_GPIO10: length 28.6
  Top w0.15: 60.26,72.27 59.25,71.25 59.25,69.42 58.5,68.67 58.28,68.67 56.65,67.05 56.65,63.16 54,60.51 v2(54,59.75) 54.28,60.03 56.22,60.03 57.75,58.5 57.75,54.83 57.2,54.28 57.03,54.28 56.5,53.75 U11.31
  Bottom w0.15: v2(54,59.75) 54,60.16 54.35,60.51 54.35,61.5 54.1,61.74 Module1.44
CM4_GPIO11: length 32.8
  Top w0.15: J4.24 56.75,70.95 56.75,68.35 56.1,67.7 56.1,64.49 52.75,61.14 52.75,60.25 ; v2(56.25,58.5) 53.83,58.5 52.75,59.58 52.75,60.25 ; 52.75,60.25 v2(52.75,60.5) ; v2(60.75,58.75) 60.75,57 57.5,53.75 U11.29
  Bottom w0.15: v2(52.75,60.5) 52.97,60.72 52.97,61.5 52.9,61.57 Module1.38 ; v2(60.75,58.75) 60.53,58.98 56.72,58.98 v2(56.25,58.5)
CM4_GPIO12: length 45.6
  Top w0.15: R66.1 56.11,56.69 50.06,56.69 v2(47.75,59) 47.75,59.25 49.97,61.47 50.11,61.47 51.42,62.78 51.42,63.95 51.73,64.27 51.73,70.98 J4.18 ; v2(42.3,61.5) 42.3,59.95 v2(42.5,59.75)
  Bottom w0.15: v2(42.3,61.5) 42.3,62.45 43.3,63.45 50.95,63.45 51.7,64.2 Module1.31 ; v2(42.5,59.75) 43.05,59.2 47.55,59.2 v2(47.75,59)
CM4_GPIO13: length 23.6
  Top w0.15: J4.19 52.98,65.13 51.7,63.84 51.7,62.45 49.25,60 v2(49.25,59.5) 49.25,58 50.29,56.96 54.89,56.96 R67.1
  Bottom w0.15: v2(49.25,59.5) 49.25,59.67 50.9,61.32 Module1.28
CM4_GPIO14: length 101.6
  Top w0.15: J4.29 65.69,68.51 68.45,65.75 68.45,64.7 v2(68.25,64.5) 68.28,64.47 68.28,59.64 67.5,58.86 67.5,58.5 67,58 v2(67,57.75) ; J17.3 6.75,41.25 v2(8.75,43.25)
  Bottom w0.15: v2(68.25,64.5) 56.65,64.5 56.5,64.65 Module1.55 ; v2(8.75,43.25) 8.75,44.53 8.53,44.75 8.53,46.52 10.45,48.45 15.45,48.45 18.45,51.45 26.73,51.45 31.65,56.37 41.84,56.37 42.93,55.28 48.57,55.28 48.82,55.53 55.32,55.53 56.4,56.61 65.86,56.61 v2(67,57.75)
CM4_GPIO15: length 114.2
  Top w0.15: v2(66.75,58.5) 68,59.75 68,63.75 v2(67.75,64) ; J17.2 7,42.5 v2(8.25,43.75)
  Bottom w0.15: J4.35 71.86,68.28 67.52,68.28 66.74,67.5 56.2,67.5 56.03,67.33 56.03,66.25 55.7,65.92 Module1.51 55.7,64.65 56.13,64.22 67.53,64.22 v2(67.75,64) ; v2(8.25,43.75) 8.25,46.63 10.34,48.72 15.22,48.72 18.22,51.72 26.61,51.72 31.54,56.65 41.95,56.65 43.04,55.55 48.46,55.55 48.71,55.81 55.21,55.81 56.29,56.89 65.63,56.89 66.5,57.75 66.5,58.25 v2(66.75,58.5)
CM4_GPIO16: length 43.8
  Top w0.15: v2(40.25,59.75) 40.25,60.67 41.08,61.5 v2(41.6,61.5) 41.6,63.35 46.42,68.17 46.42,71.21 J4.14 ; R37.1 52.56,59 v2(52,59)
  Bottom w0.15: v2(41.6,61.5) 41.6,62.14 43.26,63.8 50.64,63.8 51.3,64.46 Module1.29 ; v2(52,59) 51.66,58.66 48.76,58.66 47.95,59.48 43.71,59.48 42.74,60.45 40.26,60.45 40.25,60.44 v2(40.25,59.75)
CM4_GPIO17: length 71.9
  Top w0.15: J4.9 40.28,64.1 34.68,58.5 v2(33.75,58.5)
  Bottom w0.15: v2(33.75,58.5) 34.25,59 37.61,59 38.24,58.37 46.93,58.37 47.46,57.83 54.39,57.83 55.18,58.62 55.18,61.45 55.3,61.57 Module1.50 ; J4.9 39,71.01 39,72.5 37.75,73.75 24,73.75 22.75,72.5 14.75,72.5 14.5,72.75 14.5,73.5 14,74 R3.1
CM4_GPIO18: length 18.3
  Bottom w0.15: Module1.49 55.3,65.91 55.75,66.36 55.75,67.46 56.07,67.78 66.63,67.78 67.41,68.55 69.59,68.55 J4.33
CM4_GPIO19: length 22.6
  Top w0.15: v2(43.75,60.5) 43.75,62.5 49,67.75 49,71.17 J4.16
  Bottom w0.15: Module1.26 50.5,61.48 49.05,60.03 44.22,60.03 v2(43.75,60.5)
CM4_GPIO20: length 14.9
  Top w0.15: v2(44.5,65.5) 46.36,65.5 47.93,67.07 47.91,67.09 J4.15
  Bottom w0.15: v2(44.5,65.5) 44.5,65 45.35,64.15 50.49,64.15 50.9,64.56 Module1.27
CM4_GPIO21: length 19.6
  Top w0.15: v2(39.5,66.25) 39,66.75 39,71.01 J4.8
  Bottom w0.15: v2(39.5,66.25) 44.5,66.25 45.07,65.68 45.07,64.82 45.46,64.43 50.18,64.43 50.5,64.75 Module1.25
CM4_GPIO22: length 75.8
  Top w0.15: v2(33,59.25) 32.5,58.75 v2(32.5,58) ; v2(38.25,60.5) 38.72,60.97 38.72,61.76 42.82,65.86 J4.11
  Bottom w0.15: 5.38,41.54 6.85,43.02 6.85,46.62 9.79,49.55 14.66,49.55 17.66,52.55 26.27,52.55 31.42,57.7 32.2,57.7 v2(32.5,58) ; Module1.46 54.5,61.74 54.62,61.62 54.62,58.87 54.13,58.39 47.69,58.39 47.16,58.92 42.94,58.92 42.86,59 39.08,59 38.25,59.83 v2(38.25,60.5) 38.03,60.72 34.47,60.72 v2(33,59.25)
CM4_GPIO23: length 105.7
  Top w0.15: v2(67.17,63.71) 67.13,63.67 67.13,61.96 66.55,61.39 66.55,59.3 v2(66,58.75)
  Bottom w0.15: v2(66,58.75) 66,58.75 64.24,58.75 63.2,57.72 55.94,57.72 54.86,56.64 48.36,56.64 48.11,56.39 43.39,56.39 42.29,57.48 33.77,57.48 32.75,58.5 31.82,58.5 26.16,52.83 17.45,52.83 14.45,49.83 9.57,49.83 6.5,46.76 6.5,44.22 6.02,43.74 4.77,43.74 ; 68.19,69.72 66.51,68.05 55.95,68.05 55.48,67.58 55.48,66.48 54.9,65.9 Module1.47 54.9,64.46 55.41,63.95 66.93,63.95 v2(67.17,63.71)
CM4_GPIO24: length 112.8
  Top w0.15: v2(66.57,63.47) 66.57,61.79 66.28,61.5 66.28,60.14 65.5,59.36 v2(65.5,57.75)
  Bottom w0.15: v2(65.5,57.75) 65.5,57.92 64.95,58.48 64.35,58.48 63.31,57.44 56.06,57.44 54.98,56.36 48.48,56.36 48.23,56.11 43.27,56.11 42.18,57.2 31.31,57.2 26.39,52.28 17.88,52.28 14.88,49.28 10.01,49.28 7.2,46.47 7.2,41.12 5.42,39.34 ; v2(66.57,63.47) 66.36,63.67 54.73,63.67 54.5,63.9 Module1.45 54.5,65.89 55.2,66.59 55.2,67.69 55.84,68.33 66.4,68.33 66.82,68.75 66.82,69.81 68.01,71 70,71 70.76,71.77
CM4_GPIO25: length 104.4
  Top w0.15: J4.30 64.63,71.21 64.63,69.17 67,66.81 67,64.57 66.03,63.6 v2(66.03,63.1) 66,63.07 66,60.25 65,59.25 65,58.25 v2(64.75,58)
  Bottom w0.15: Module1.41 53.7,64.67 53.02,63.98 53.61,63.39 65.74,63.39 v2(66.03,63.1) ; 4.77,38.24 5.92,38.24 7.55,39.87 7.55,46.33 10.22,49 15.1,49 18.1,52 26.5,52 31.42,56.92 42.06,56.92 43.16,55.83 48.34,55.83 48.59,56.08 55.09,56.08 56.17,57.16 63.91,57.16 v2(64.75,58)